# Altium PCB ALCT_MEZ_LX100.PcbDoc (part 4 of 10)
Units mil, origin at the board's own origin, x right, y up, seen from the top; angles counter-clockwise.
Board outline 4100 x 5874.84 mil, 12 copper layers (Top Layer, GND, Mid-Layer 2, +3V3, Mid-Layer 4, +1V2, Mid-Layer 6, +1V8, Mid-Layer 8, +2V5, Mid-Layer 10, Bottom Layer), stack 64.7 mil thick; 544 components, 646 nets, 3089 pads, 1750 vias.
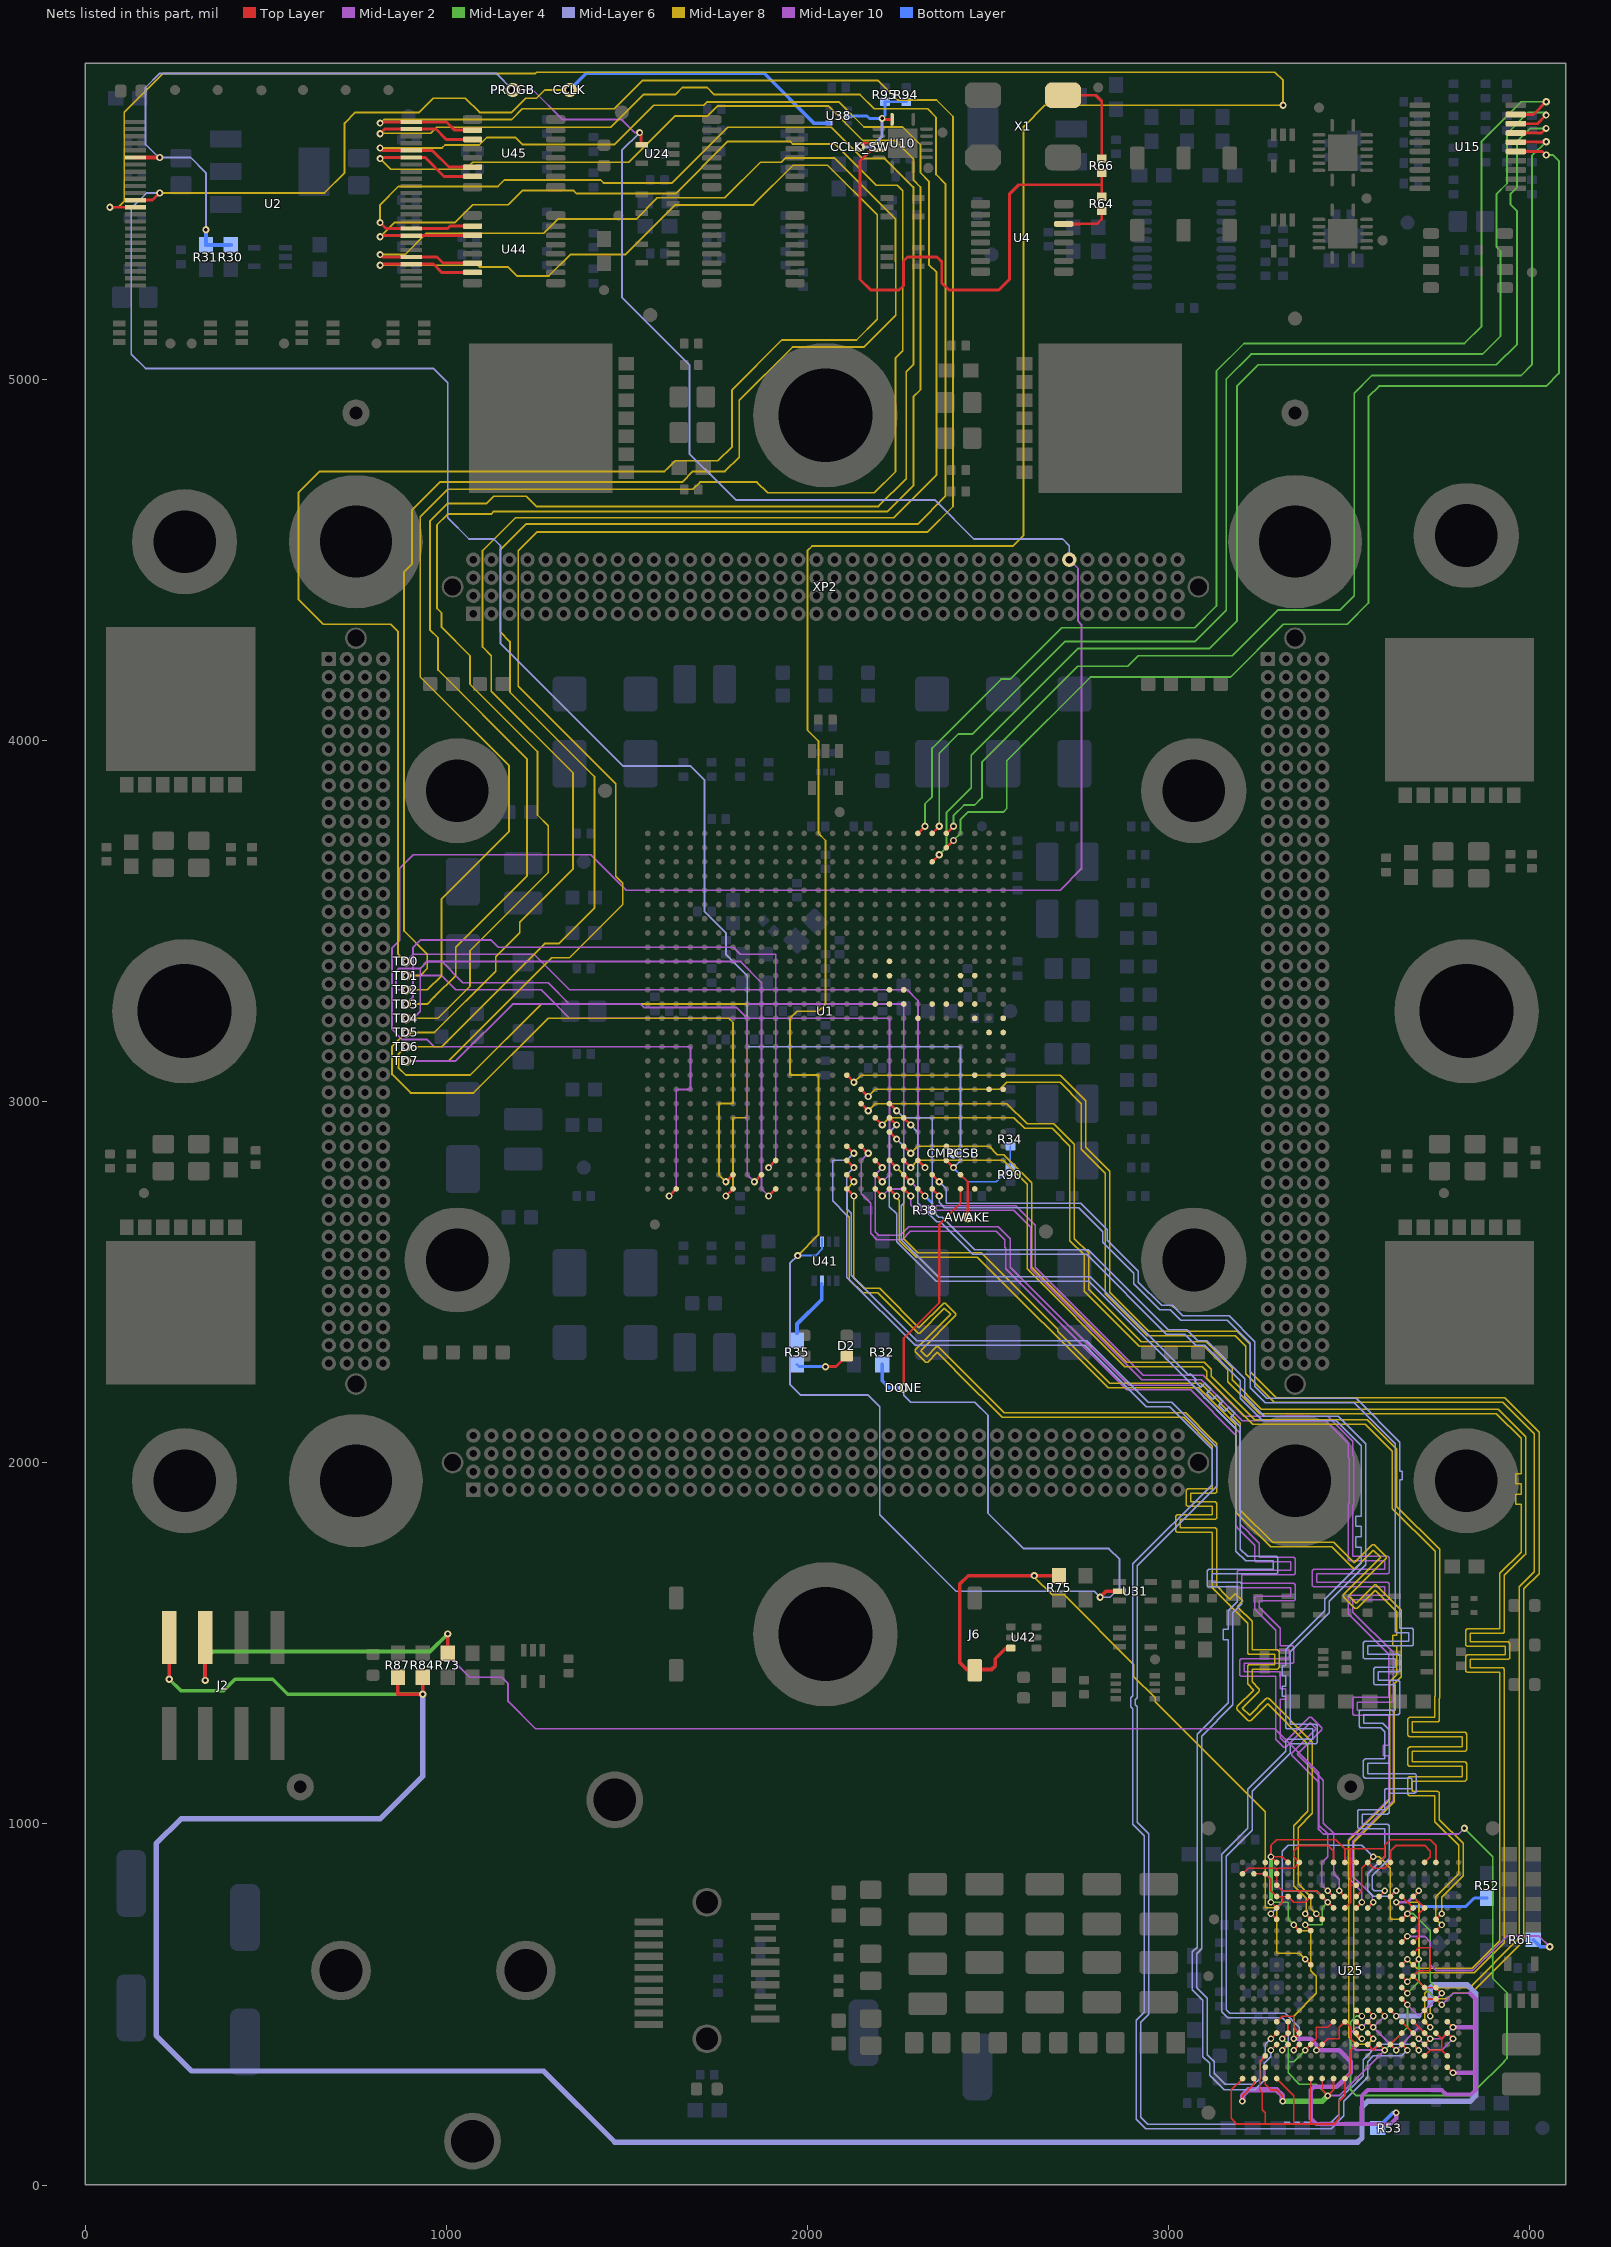
[diagram p14: the nets of this part, all layers, seen from the top]

## Via types
v1: diameter 20, hole 10, Top Layer to Bottom Layer, tented both sides, 1478 vias
v2: diameter 18, hole 10, Top Layer to Bottom Layer, tented both sides, 219 vias
v3: diameter 20, hole 10, Top Layer to Bottom Layer, 38 vias
v4: diameter 40, hole 20, Top Layer to Bottom Layer, 8 vias
v5: diameter 19, hole 10, Top Layer to Bottom Layer, tented both sides, 5 vias
v6: diameter 19, hole 10, Top Layer to Bottom Layer, 1 vias
v7: diameter 18, hole 10, Top Layer to Bottom Layer, 1 vias

## Nets (pads, with @x,y where several pads share a name; then routed paths per layer and width w, separated by ;. In a path a pad name is that pad's centre, name@x,y a point inside that pad or via, vN(x,y) a via of type N, cw(c..) or ccw(c..) an arc to the next point about the centre after c; other vN are vias at no path point) (continued)
/PROGR: PROGB.1 R30.2 R31.2 U1.AF3 U2.6 U24.4 XP2.D34 | length 8991.1
  Top Layer w7: v1(1616.93,2738.19) U1.AF3@1636.61,2757.87
  Top Layer w8: v1(1535.43,5682.48) 1539.37,5678.54 U24.4@1539.37,5649.02
  Top Layer w10: U2.6@139.76,5613.58 v1(206.69,5613.58)
  Mid-Layer 6 w5: v1(334.65,5413.58) 334.65,5571.06 292.13,5613.58 v1(206.69,5613.58) 203.54,5613.58 167.32,5649.8 167.32,5728.54 167.32,5807.28 206.5,5846.46 1138.19,5846.46 v4(1184.25,5800.39) ; v1(1535.43,5682.48) 1486.22,5633.27 1486.22,5226.58 1673.23,5039.57 1673.23,4793.5 1754.24,4712.49 1754.7,4712.49 1801.64,4665.55 2352.36,4665.55 2460.63,4557.28 2706.69,4557.28 2725,4538.98 XP2.D34@2725,4500
  Mid-Layer 10 w5: v4(1184.25,5800.39) 1240.16,5800.39 1322.05,5718.5 1486.22,5718.5 1522.24,5682.48 v1(1535.43,5682.48) ; v1(1616.93,2738.19) 1636.61,2757.87 1636.61,3033.46 1675.98,3033.46 1675.98,3151.57 967.32,3151.57 947.64,3171.26 927.95,3171.26 878.74,3171.26 850,3200 850,3425 871.08,3446.08 871.08,3645.89 908.27,3683.07 1400.39,3683.07 1498.63,3584.83 2620.87,3584.83 2621.05,3584.65 2699.61,3584.65 2758.66,3643.7 2758.66,4320.12 2749.5,4329.29 2749.5,4475.5 XP2.D34@2725,4500
  Bottom Layer w12: v1(334.65,5413.58) R31.2@334.65,5371.46 R30.2@403.54,5371.46
a0: U1.V26
a1: U1.V24
a2: U1.W26
a3: U1.W25
a4: U1.N18
a5: U1.N17
a6: U1.N23
a7: U1.N22
a8: U1.N19
a9: U1.M18
a10: U1.R26
a11: U1.R25
a12: U1.L18
a13: U1.M19
a14: U1.P26
a15: U1.P24
a16: U1.K18
a17: U1.L17
a18: U1.N24
a19: U1.M23
a20: U1.N21
a21: U1.P20
a22: U1.L24
a23: U1.L23
ADC_EOC: U1.A20 U15.19 | length 3473
  Top Layer w7: U1.A20@2305.91,3742.13 v1(2325.59,3761.81)
  Top Layer w8: U15.19@3961.61,5732.68 4010.04,5732.68 v1(4045.28,5767.91)
  Mid-Layer 4 w5: v1(2325.59,3761.81) 2325.59,3823.75 2345.28,3843.44 2345.28,3978.35 2536.36,4169.43 2561.81,4169.43 2703.69,4311.31 3071.94,4311.31 3132.68,4372.05 3132.68,5022.64 3208.66,5098.62 3818.9,5098.62 3866.43,5146.15 3866.43,5657.96 3976.38,5767.91 v1(4045.28,5767.91)
ADC_NCS: U1.B22 U15.15 | length 3393
  Top Layer w7: U1.B22@2384.65,3702.76 v1(2404.33,3722.44)
  Top Layer w8: U15.15@3961.61,5630.31 4035.24,5630.31 v1(4045.28,5620.28)
  Mid-Layer 4 w5: v1(2404.33,3722.44) 2424.02,3742.13 2424.02,3781.5 2443.7,3801.18 2542.13,3801.18 2551.97,3811.02 2551.97,3943.05 2784.12,4175.2 3172.05,4175.2 3317.91,4321.06 3494.09,4321.06 3553.15,4380.12 3553.15,4950.98 3582.68,4980.51 4045.28,4980.51 4080.5,5015.74 4080.5,5604.74 4064.96,5620.28 v1(4045.28,5620.28)
ADC_SCK: U1.A21 U15.18 | length 3441.7
  Top Layer w6: U1.A21@2345.28,3742.13 2355.12,3751.97 v1(2364.96,3761.81)
  Top Layer w8: U15.18@3961.61,5707.09 4021.35,5707.09 v1(4045.27,5731)
  Mid-Layer 4 w5: v1(2364.96,3761.81) 2364.96,3964.43 2418.25,4017.72 2457.62,4017.72 2713.52,4273.62 3073.62,4273.62 3159.45,4359.45 3159.45,5000.2 3228.35,5069.09 3869.09,5069.09 3919.01,5119.01 3919.01,5354.53 3907.48,5366.06 3907.48,5512.01 3937.01,5541.54 3937.01,5679.33 3996.06,5738.39 v1@4045.28,5738.39
ADC_SDI: U1.C21 U15.17 | length 3464.2
  Top Layer w7: U1.C21@2345.28,3663.39 v1(2364.96,3683.07)
  Top Layer w8: U15.17@3961.61,5681.5 4032.67,5681.5 v1(4045.27,5694.09)
  Mid-Layer 4 w5: v1(2364.96,3683.07) 2384.83,3702.94 2384.83,3799.68 2453.54,3868.39 2453.54,3958.66 2748.82,4253.94 3112.99,4253.94 3188.98,4329.92 3188.98,4980.51 3248.03,5039.57 3907.48,5039.57 3964.85,5096.94 3964.85,5464.48 3946.85,5482.48 3946.85,5513.69 3964.85,5531.69 3964.85,5657.96 4000.98,5694.09 v1(4045.27,5694.09)
ADC_SDO: U1.A22 U15.16 | length 3280.4
  Top Layer w7: U1.A22@2384.65,3742.13 v1(2404.33,3761.81)
  Top Layer w8: U15.16@3961.61,5655.91 4044,5655.91 v1(4045.28,5657.19)
  Mid-Layer 4 w5: v1(2404.33,3761.81) 2404.33,3791.34 2433.86,3820.87 2463.39,3820.87 2483.07,3840.55 2483.07,3938.98 2748.82,4204.72 2886.61,4204.72 2916.14,4234.25 3176,4234.25 3302.18,4360.43 3474.41,4360.43 3513.78,4399.8 3513.78,4960.83 3562.99,5010.04 3976.38,5010.04 4005.91,5039.57 4005.91,5617.81 v1(4045.28,5657.19)
auto_reset_ena: R61.2 U25.H15 | length 597.1
  Top Layer w5: U25.H15@3645.67,672.64 v2(3661.42,688.39)
  Mid-Layer 2 w5: v2(3661.42,688.39) 3708.66,688.39 3724.41,672.64 3724.41,609.65 3740.16,593.9 3841.73,593.9 3913.39,665.55 3937.01,689.17 4025.59,689.17 v1(4055.12,659.65)
  Bottom Layer w10: R61.2@4009.84,679.33 4029.53,659.65 v1(4055.12,659.65)
AWAKE: AWAKE.1 U1.AE23 | length 145.9
  Top Layer w6: U1.AE23@2424.02,2797.24 2443.7,2777.56 2443.7,2698.82 ; v1(2443.7,2679.13) 2443.7,2698.82 ; 2443.7,2718.5 2443.7,2698.82
CCLK: CCLK.1 R34.2 R90.1 U1.AD22 U2.12 U38.4 | length 7187.1
  Top Layer w7: U1.AD22@2384.65,2836.61 v1(2404.33,2816.93)
  Top Layer w8: U2.12@139.76,5495.47 187.01,5495.47 v1(206.69,5515.16)
  Mid-Layer 6 w5: v1(206.69,5515.16) 170.47,5515.16 127.95,5472.64 127.95,5069.09 167.32,5029.72 964.57,5029.72 1003.94,4990.35 1003.94,4616.34 1062.99,4557.28 1131.89,4557.28 1150,4539.17 1150,4268.11 1488.98,3929.13 1675.98,3929.13 1715.35,3889.76 1715.35,3525.59 1774.41,3466.54 1774.41,3407.48 1833.46,3348.43 1833.46,3151.57 2424.02,3151.57 2424.02,3033.46 2424.02,2836.61 v1(2404.33,2816.93)
  Mid-Layer 8 w5: v1(206.69,5515.16) 662.6,5515.16 718.5,5571.06 718.5,5708.86 748.03,5738.39 925.2,5738.39 964.57,5777.76 1053.15,5777.76 1092.52,5738.39 1181.1,5738.39 1220.28,5777.56 1250,5777.56 1272.83,5800.39 v4(1341.73,5800.39)
  Bottom Layer w5: v1(2404.33,2816.93) 2443.7,2777.56 2522.44,2777.56 R90.1@2561.81,2816.93 R34.2@2561.81,2875.98
  Bottom Layer w10: v4(1341.73,5800.39) 1387.8,5846.46 1880.12,5846.46 2017.72,5708.86 U38.4@2060.04,5708.86
cclk_prom: R64.2 R66.2 U10.12 | length 1549.9
  Top Layer w8: U10.12@2197.83,5633.27 2175.2,5633.27 2145.67,5603.74 2145.67,5275.79 2175.2,5246.26 2253.94,5246.26 2265.75,5258.07 2265.75,5326.97 2276.77,5337.99 2359.06,5337.99 2372.05,5325 2372.05,5265.95 2391.73,5246.26 2529.53,5246.26 2559.06,5275.79 2559.06,5512.01 2585.24,5538.19 2814.96,5538.19 ; R64.2@2814.96,5505.31 2814.96,5538.19 ; R66.2@2814.96,5571.06 2814.96,5538.19
CCLK_SW: CCLK_SW.1 R94.2 R95.1 U10.8 U10.11 U38.2 | length 412.8
  Top Layer w8: v1(2145.67,5643.11) 2155.51,5652.95 U10.11@2197.83,5652.95 ; v1(2206.69,5721.85) 2209.65,5718.9 U10.8@2234.25,5718.9
  Mid-Layer 6 w8: v1(2145.67,5643.11) 2178.35,5643.11 2206.69,5671.46 v1(2206.69,5721.85)
  Bottom Layer w8: U38.2@2113.19,5728.54 2165.35,5728.54 2172.05,5721.85 v1(2206.69,5721.85) 2214.57,5729.72 R95.1@2214.57,5767.91 R94.2@2273.62,5767.91
CK20: R64.1 U4.14 | length 133.8
  Top Layer w7: 2755.91,5429.53 2801.38,5429.53 2814.96,5443.11 R64.1@2814.96,5465.94
  Top Layer w8: U4.14@2709.65,5429.53 2755.91,5429.53
ck33: R66.1 X1.3 | length 272.9
  Top Layer w8: X1.3@2707.68,5785.83 2798.23,5785.83 2814.96,5769.09 R66.1@2814.96,5610.43
CMPCS_B: CMPCSB.1 U1.AC22 | length 27.8
  Top Layer w7: U1.AC22@2384.65,2875.98 v1(2404.33,2856.3)
config_select: J6.2 R75.1 U25.K7 U42.3 | length 2161.2
  Top Layer w5: v2(3377.95,625.39) U25.K7@3393.7,609.65
  Top Layer w10: U42.3@2562.99,1486.42 2549.21,1486.42 2519.69,1456.89 2519.69,1437.2 2509.84,1427.36 2440.95,1427.36 2421.26,1447.05 2421.26,1663.58 2444.88,1687.2 v1(2627.95,1687.2) R75.1@2700.79,1687.2
  Mid-Layer 8 w4: v1(2627.95,1687.2) 2627.95,1683.27 2677.42,1633.8 2710.52,1633.8 2903.48,1440.83 2903.48,1407.48 2962.54,1348.43 2962.54,1338.58 3267.72,1033.4 3267.72,767.13 3299.21,767.13 3299.21,641.14 3362.2,641.14 v2(3377.95,625.39)
CSI_B: R38.1 U1.AF20 | length 75.4
  Top Layer w7: U1.AF20@2305.91,2757.87 v1(2325.59,2738.19)
  Bottom Layer w7: v1(2325.59,2738.19) 2345.28,2718.5 R38.1@2345.28,2698.82
D0: TD0.1 U1.AD20 U2.28 U44.15 | length 7528.8
  Top Layer w7: U1.AD20@2305.91,2836.61 v1(2325.59,2816.93)
  Top Layer w8: v1(816.93,5315.16) 820.08,5318.31 U2.28@903.54,5318.31 964.57,5318.31 987.4,5295.47 U44.15@1072.83,5295.47
  Mid-Layer 8 w5: v1(816.93,5315.16) 1087.51,5315.16 1092.52,5310.15 1171.26,5310.15 1195.78,5285.63 1284.54,5285.63 1343.59,5344.69 1496.06,5344.69 1633.76,5482.38 1850.3,5482.38 1960.13,5592.21 2055.62,5592.21 2193.2,5454.64 2193.2,5165.64 2135.83,5108.27 1929.13,5108.27 1791.34,4970.47 1791.34,4813.19 1751.97,4773.82 1633.86,4773.82 1614.17,4754.13 1604.33,4744.29 649.61,4744.29 590.55,4685.24 590.55,4389.96 659.45,4321.06 846.46,4321.06 866.14,4301.38 866.14,3408.86 v1@887.2,3387.8
  Mid-Layer 10 w5: v1(888.58,3387.8) 908.27,3407.48 1242.91,3407.48 1341.34,3309.06 2276.38,3309.06 2305.91,3279.53 2305.91,2836.61 v1(2325.59,2816.93)
D1: TD1.1 U1.AE17 U2.29 U44.14 | length 7043.3
  Top Layer w7: U1.AE17@2187.8,2797.24 v1(2207.48,2777.56)
  Top Layer w8: v1(816.93,5344.69) 823.62,5337.99 U2.29@903.54,5337.99 974.41,5337.99 991.34,5321.06 U44.14@1072.83,5321.06
  Mid-Layer 8 w5: v1(816.93,5344.69) 885.83,5344.69 944.88,5403.74 1269.69,5403.74 1309.06,5443.11 1525.59,5443.11 1584.65,5502.17 1771.65,5502.17 1870.08,5600.59 1927.67,5600.59 1938.98,5611.9 2075.31,5611.9 2244.09,5443.11 2244.09,5325.28 2244.38,5325 2244.38,5177.17 2155.8,5088.58 1958.66,5088.58 1811.02,4940.95 1811.02,4783.66 1771.65,4744.29 1683.07,4744.29 1653.54,4714.76 982,4714.76 905.51,4638.28 905.51,4488.35 883.2,4466.04 883.2,3471.91 947.64,3407.48 947.64,3368.11 927.95,3348.43 v1(888.58,3348.43)
  Mid-Layer 10 w5: v1(888.58,3348.43) 987.01,3348.43 1026.38,3309.06 1262.6,3309.06 1341.34,3230.32 2227.17,3230.32 2227.17,2797.24 v1(2207.48,2777.56)
D2: TD2.1 U1.AF17 U2.32 U44.11 | length 7769.2
  Top Layer w7: U1.AF17@2187.8,2757.87 v1(2207.48,2738.19)
  Top Layer w8: v1(816.93,5393.9) 820.08,5397.05 U2.32@903.54,5397.05 1072.05,5397.05 U44.11@1072.83,5397.83
  Mid-Layer 8 w5: v1(816.93,5393.9) 856.3,5433.27 1023.62,5433.27 1072.83,5482.48 1171.26,5482.48 1210.63,5521.85 1352.5,5521.85 1360.65,5513.69 1635.54,5513.69 1779.81,5657.96 1951.97,5657.96 1958.66,5651.27 2075.31,5651.27 2190.05,5536.53 2249.1,5536.53 2263.78,5521.85 2263.78,5206.69 2263.78,5078.74 2244.09,5059.06 2244.09,4744.09 2185.04,4685.04 1889.76,4685.04 1860.04,4714.76 1702.76,4714.76 1683.07,4695.08 1003.94,4695.08 927.95,4619.09 927.95,4175.2 1174.02,3929.13 1174.02,3747.9 987.01,3560.89 987.01,3348.43 947.64,3309.06 v1(888.58,3309.06)
  Mid-Layer 10 w5: v1(888.58,3309.06) 865.95,3309.06 861,3314 861,3361 868.11,3368.11 927.95,3368.11 947.64,3387.8 987.01,3387.8 1046.06,3328.74 1282.28,3328.74 1341.34,3269.69 2266.54,3269.69 2266.54,2757.87 2227.17,2757.87 v1(2207.48,2738.19)
D3: TD3.1 U1.AD10 U2.33 U44.10 | length 7604.1
  Top Layer w7: v1(1892.52,2816.93) U1.AD10@1912.2,2836.61
  Top Layer w8: v1(816.93,5433.27) 833.46,5416.73 U2.33@903.54,5416.73 1003.94,5416.73 1010.63,5423.43 U44.10@1072.83,5423.43
  Mid-Layer 2 w5: v1(888.58,3269.69) 908.27,3289.37 908.27,3427.17 927.95,3446.85 1124.8,3446.85 1144.49,3427.17 1794.09,3427.17 1813.78,3407.48 1912.2,3407.48 1912.2,2836.61 v1(1892.52,2816.93)
  Mid-Layer 8 w5: v1(816.93,5433.27) 816.93,5482.48 867.61,5533.16 1143.2,5533.16 1161.42,5551.38 1427.17,5551.38 1435.32,5543.22 1625.7,5543.22 1779.81,5697.33 2065.99,5697.33 2152.89,5610.43 2214.57,5610.43 2293.31,5531.69 2293.31,5039.53 2273.62,5019.85 2273.62,4724.61 2196.56,4647.54 1249.48,4647.54 ; v1(888.58,3269.69) 947.64,3269.69 967.32,3289.37 1026.38,3348.43 1026.38,3427.17 1223.23,3624.02 1223.23,3948.82 977.17,4194.88 977.17,4283.46 954.72,4305.91 954.72,4606.5 1003.94,4655.71 1112.24,4655.71 1131.89,4675.36 1221.66,4675.36 1249.48,4647.54 ; 1250,4647.02 1249.48,4647.54
D4: TD4.1 U1.AF10 U2.43 U45.15 | length 7664.3
  Top Layer w7: v1(1892.52,2738.19) U1.AF10@1912.2,2757.87
  Top Layer w8: v1(816.93,5610.43) 820.08,5613.58 U2.43@903.54,5613.58 941.73,5613.58 994.09,5561.22 U45.15@1072.83,5561.22
  Mid-Layer 2 w5: v1(888.58,3230.32) 908.27,3230.32 927.95,3250 927.95,3368.11 947.64,3387.8 1813.78,3387.8 1872.83,3328.74 1872.83,2757.87 v1(1892.52,2738.19)
  Mid-Layer 8 w5: v1(816.93,5610.43) 846.46,5580.91 1053.15,5580.91 1072.83,5600.59 1505.91,5600.59 1633.86,5728.54 1724.13,5728.54 1751.97,5756.39 2057.85,5756.39 2153.86,5660.38 2242.63,5660.38 2293.31,5609.7 2293.31,5551.38 2312.99,5531.69 2312.99,4970.67 2293.31,4950.98 2293.31,4704.92 2222.16,4633.78 1131.89,4633.78 1124.26,4626.15 1003.9,4626.15 974.41,4596.65 974.41,4364.96 987.01,4352.36 987.01,4312.99 1065.75,4234.25 1065.75,4155.51 1252.76,3968.5 1252.76,3793.02 1282.28,3763.5 1282.28,3633.86 1065.75,3417.32 1065.75,3318.9 977.17,3230.32 v1(888.58,3230.32)
D5: TD5.1 U1.AE7 U2.44 U45.14 | length 7548.2
  Top Layer w7: v1(1774.41,2777.56) U1.AE7@1794.09,2797.24
  Top Layer w8: v1(816.93,5639.96) 823.62,5633.27 U2.44@903.54,5633.27 961.42,5633.27 1007.87,5586.81 U45.14@1072.83,5586.81
  Mid-Layer 8 w5: v1(816.93,5639.96) 988.32,5639.96 996.48,5648.12 1091.58,5648.12 1112.76,5669.29 1191.14,5669.29 1210.63,5649.8 1466.54,5649.8 1574.8,5758.07 1713.13,5758.07 1722.44,5767.39 2087.14,5767.39 2156.57,5697.95 2263.78,5697.95 2312.99,5648.74 2312.99,5571.06 2336.33,5547.72 2336.33,5316.91 2357.76,5295.47 2357.76,4734.79 2239.31,4616.34 1191.84,4616.34 1100.5,4525 1100.5,4258.55 1124.8,4234.25 1124.8,4135.83 1351.18,3909.45 1351.18,3643.7 1203.54,3496.06 1203.54,3466.54 1137.24,3400.23 1137.24,3360.86 967.32,3190.95 v1(888.58,3190.95) 850,3152.36 850,3075 901.38,3023.62 1075.59,3023.62 1282.1,3230.13 1782.49,3230.13 1793.91,3218.71 1793.91,3013.78 ; v1(1774.41,2777.56) 1754.91,2797.06 1754.91,2993.91 1754.72,2994.09 1794.09,2994.09 1794.09,3013.78
D6: TD6.1 U1.AF7 U2.47 U45.11 | length 7763.4
  Top Layer w7: v1(1774.41,2738.19) U1.AF7@1794.09,2757.87
  Top Layer w8: v1(816.93,5679.33) 829.92,5692.32 U2.47@903.54,5692.32 971.26,5692.32 1000,5663.58 U45.11@1072.83,5663.58
  Mid-Layer 8 w5: v1(816.93,5679.33) 818.39,5680.8 957.11,5680.8 973.65,5697.33 1455.01,5697.33 1545.28,5787.6 1633.86,5787.6 1653.54,5807.28 1722.44,5807.28 1742.13,5787.6 2145.67,5787.6 2185.04,5748.23 2332.68,5748.23 2356.01,5724.89 2356.01,5566.75 2381.89,5540.87 2381.89,4675.39 2304.89,4598.4 1220.17,4598.4 1149.5,4527.72 1149.5,4300 1176.27,4273.23 1176.27,4133.57 1410.24,3899.61 1410.24,3535.43 1311.81,3437.01 1272.44,3437.01 987.01,3151.57 v1(888.58,3151.57) 867.72,3130.71 867.72,3093.7 888.58,3072.83 1065.75,3072.83 1262.6,3269.69 1833.46,3269.69 1833.46,2954.72 1794.09,2954.72 1794.09,2757.87 v1(1774.41,2738.19)
D7: TD7.1 U1.AE9 U2.48 U45.10 | length 7671.6
  Top Layer w7: v1(1853.15,2777.56) U1.AE9@1872.83,2797.24
  Top Layer w8: v1(816.93,5708.86) 820.08,5712.01 U2.48@903.54,5712.01 1000.79,5712.01 1023.62,5689.17 U45.10@1072.83,5689.17
  Mid-Layer 2 w5: v1(888.58,3112.2) 1026.38,3112.2 1183.86,3269.69 1538.19,3269.69 1548.03,3259.84 1803.94,3259.84 1833.46,3230.32 1833.46,2797.24 v1(1853.15,2777.56)
  Mid-Layer 8 w5: v1(816.93,5708.86) 826.77,5718.7 1181.1,5718.7 1210.63,5748.23 1465.07,5748.23 1543.81,5826.97 2194.88,5826.97 2249.1,5772.75 2357.37,5772.75 2403.01,5727.11 2403.01,4647.3 2332.68,4576.97 1251.47,4576.97 1199.5,4525 1199.5,4149.71 1469.29,3879.92 1469.29,3624.02 1488.98,3604.33 1488.98,3545.28 1341.34,3397.64 1292.13,3397.64 1006.69,3112.2 v1(888.58,3112.2)
din_pd: R53.2 U25.A4 U25.A5 U25.A10 U25.A11 U25.A13 U25.A18 U25.B2 U25.B3 U25.C11 U25.D4 U25.D5 U25.D7 U25.D16 U25.E4 U25.E10 U25.E15 U25.E17 U25.G6 U25.G16 U25.H16 U25.K16 U25.M15 U25.N17 U25.N18 U25.P13 U25.R4 U25.R10 U25.R12 U25.R16 U25.R19 U25.T6 U25.T15 U25.T17 U25.U8 U25.U11 U25.U14 U25.U17 U25.V3 U25.W19 U25.Y1 U25.Y4 U25.Y7 U25.Y10 | length 6382
  Top Layer w4: U25.B2@3236.22,861.61 U25.B3@3267.72,861.61 3283.46,845.87 3283.46,814.37 U25.D4@3299.21,798.62 U25.D5@3330.71,798.62 3346.46,782.87 3377.95,782.87 U25.D7@3393.7,798.62 ; 3267.72,168.7 3267.72,200.2 3259.97,207.94 3259.97,255.19 3251.97,263.19 3251.97,341.93 U25.V3@3267.72,357.68 ; v2(3283.46,908.86) U25.A4@3299.21,893.11 ; U25.R4@3299.21,452.17 3314.96,467.91 3346.46,467.91 3346.46,436.42 U25.T6@3362.2,420.67 v2(3346.46,404.92) ; U25.E4@3299.21,767.13 3314.96,782.87 3314.96,798.62 ; v2(3409.45,373.43) U25.U8@3425.2,389.17 3440.95,404.92 3472.44,404.92 3472.44,436.42 U25.R10@3488.19,452.17 3503.94,436.42 3503.94,404.92 U25.U11@3519.69,389.17 3510.83,380.32 3503.94,373.43 3503.94,310.43 U25.Y10@3488.19,294.69 ; U25.E10@3488.19,767.13 3503.94,782.87 3503.94,830.12 ; 3503.94,931.05 3503.94,924.61 3503.94,893.11 ; U25.C11@3519.69,830.12 3503.94,830.12 ; U25.A11@3519.69,893.11 3503.94,893.11 ; U25.H16@3677.17,672.64 3692.91,688.39 3692.91,704.13 ; U25.G16@3677.17,704.13 3692.91,704.13 ; v2(3692.91,814.37) U25.D16@3677.17,798.62 3686.02,789.76 U25.E17@3708.66,767.13 3692.91,751.38 3692.91,719.88 3692.91,704.13 ; 3503.94,830.12 3503.94,893.11
  Top Layer w5: U25.Y1@3204.72,294.69 3173.23,263.19 3173.23,184.45 3188.98,168.7 3267.72,168.7 3346.46,168.7 ; 3290.35,775.98 U25.E4@3299.21,767.13 ; U25.Y4@3299.21,294.69 3346.46,247.44 3346.46,168.7 ; U25.A5@3330.71,893.11 3314.96,908.86 v2(3283.46,908.86) 3283.46,940.35 3299.21,956.1 3463.14,956.1 3488.19,931.05 ; v2(3346.46,719.88) U25.G6@3362.2,704.13 ; U25.Y7@3393.7,294.69 3393.7,168.7 ; U25.Y10@3488.19,294.69 3488.19,247.44 3472.44,231.69 3472.44,184.45 3456.69,168.7 3393.7,168.7 ; U25.A10@3488.19,893.11 3488.19,931.05 ; U25.R12@3551.18,452.17 v2(3566.93,436.42) ; U25.P13@3582.68,483.66 v2(3598.43,467.91) ; U25.A13@3582.68,893.11 3598.43,908.86 3598.43,931.05 ; v2(3629.92,373.43) U25.U14@3614.17,389.17 U25.T15@3645.67,420.67 ; v2(3629.92,782.87) 3636.81,775.98 U25.E15@3645.67,767.13 ; U25.M15@3645.67,546.65 v2(3661.42,530.91) ; U25.R16@3677.17,452.17 3699.8,429.53 U25.T17@3708.66,420.67 v2(3724.41,404.92) 3717.52,398.03 U25.U17@3708.66,389.17 ; U25.K16@3677.17,609.65 v2(3692.91,625.39) ; U25.N17@3708.66,515.16 U25.N18@3740.16,515.16 v2(3755.91,499.41) ; U25.A18@3740.16,893.11 3740.16,940.35 3724.41,956.1 3614.17,956.1 3598.43,940.35 3598.43,931.05 ; U25.W19@3771.65,326.18 v2(3787.4,310.43) ; U25.R19@3771.65,452.17 v2(3787.4,436.42) ; 3346.46,168.7 3393.7,168.7 ; 3488.19,931.05 3503.94,931.05 3576.23,931.05 3598.43,931.05
  Mid-Layer 2 w5: v2(3598.43,467.91) v2(3566.93,436.42) v2(3629.92,373.43) 3692.91,436.42 v2(3724.41,404.92) 3755.91,404.92 v2(3787.4,436.42) ; v2(3755.91,499.41) 3787.4,530.91 3834.65,530.91
  Mid-Layer 2 w8: v2(3629.92,782.87) 3661.42,782.87 v2(3692.91,814.37)
  Mid-Layer 2 w11.81: v2(3346.46,404.92) 3393.7,404.92 3409.45,389.17 v2(3409.45,373.43) 3472.44,373.43 3503.94,341.93 3503.94,310.43 3465.47,271.96 3402.47,271.96 3393.7,263.19 3393.7,184.45 3409.45,168.7 3535.43,168.7 ; v6(3629.92,200.2) 3629.92,184.45 3614.17,168.7 3535.43,168.7 ; v2(3787.4,310.43) 3850.39,310.43 ; v2(3787.4,436.42) 3850.39,436.42 ; 3834.65,530.91 3850.39,515.16 3850.39,436.42 ; 3535.43,168.7 3535.43,247.44 3551.18,263.19 3755.91,263.19 3768.77,250.32 3837.53,250.32 3850.39,263.19 3850.39,310.43 ; 3850.39,310.43 3850.39,436.42
  Mid-Layer 4 w4: v2(3283.46,782.87) 3330.71,782.87 3330.71,735.63 v2(3346.46,719.88)
  Mid-Layer 4 w5: v2(3661.42,530.91) 3692.91,562.4 ; v2(3692.91,625.39) 3692.91,562.4 ; v2(3755.91,499.41) 3692.91,562.4
  Mid-Layer 4 w10: v2(3283.46,782.87) 3283.46,877.36 v2(3283.46,908.86)
  Mid-Layer 8 w4: v2(3346.46,404.92) 3346.46,467.91 3409.45,530.91 3409.45,578.15 3393.7,593.9 3393.7,609.65 3393.7,704.13 3362.2,704.13 v2(3346.46,719.88)
  Mid-Layer 8 w5: v2(3629.92,782.87) 3692.91,782.87 v2(3692.91,625.39)
  Bottom Layer w10: R53.2@3578.74,157.68 3621.26,200.2 v6(3629.92,200.2)
din_pu: R52.2 U25.A3 U25.A6 U25.A9 U25.A12 U25.A14 U25.A17 U25.B1 U25.B4 U25.C4 U25.D6 U25.D8 U25.D11 U25.D15 U25.E9 U25.E16 U25.F4 U25.F15 U25.F16 U25.G7 U25.J16 U25.L16 U25.M17 U25.M18 U25.N15 U25.P12 U25.R5 U25.R9 U25.R11 U25.R15 U25.T5 U25.T16 U25.T18 U25.T19 U25.U7 U25.U12 U25.U13 U25.V17 U25.V19 U25.W3 U25.Y2 U25.Y3 U25.Y8 U25.Y9 | length 5289.4
  Top Layer w4: U25.B1@3204.72,861.61 3213.58,870.47 3220.47,877.36 3267.72,877.36 ; U25.Y3@3267.72,294.69 U25.W3@3267.72,326.18 ; U25.A3@3267.72,893.11 3267.72,877.36 ; v2(3314.96,404.92) U25.T5@3330.71,420.67 U25.R5@3330.71,452.17 ; U25.D6@3362.2,798.62 3362.2,814.37 ; U25.A6@3362.2,893.11 3346.46,877.36 3299.21,877.36 ; v2(3377.95,373.43) U25.U7@3393.7,389.17 3409.45,404.92 3409.45,436.42 3440.95,436.42 U25.R9@3456.69,452.17 ; U25.E9@3456.69,767.13 v2(3440.95,782.87) U25.D8@3425.2,798.62 3409.45,814.37 3362.21,814.37 ; U25.D11@3519.69,798.62 3535.43,814.37 3535.43,877.36 U25.A12@3551.18,893.11 ; U25.A14@3614.17,893.11 3605.32,884.25 3598.43,877.36 3566.93,877.36 U25.A12@3551.18,893.11 ; U25.F15@3645.67,735.63 3654.53,744.49 v2(3661.42,751.38) ; U25.D15@3645.67,798.62 U25.E16@3677.17,767.13 v2(3661.42,751.38) ; U25.J16@3677.17,641.14 3686.02,650 3692.91,656.89 3724.41,656.89 3724.41,593.9 3692.91,593.9 U25.L16@3677.17,578.15 U25.M17@3708.66,546.65 U25.M18@3740.16,546.65 v2(3755.91,530.91) ; U25.F16@3677.17,735.63 3668.31,744.49 v2(3661.42,751.38) ; U25.V17@3708.66,357.68 3724.41,373.43 3755.91,373.43 ; U25.T18@3740.16,420.67 3755.91,404.92 ; U25.V19@3771.65,357.68 3755.91,373.43 ; v2(3787.4,404.92) U25.T19@3771.65,420.67 3755.91,404.92 ; 3267.72,877.36 3299.21,877.36 ; 3299.21,877.36 U25.B4@3299.21,861.61 U25.C4@3299.21,830.12 3314.96,814.37 3362.2,814.37 ; U25.A12@3551.18,893.11 v2(3566.93,908.86) U25.A12@3551.18,893.11 ; 3755.91,373.43 3755.91,404.92